# Altium PCB ADAPTONE_PCB_COPY.PcbDoc (part 8 of 11)
Units mil, origin at the board's own origin, x right, y up, seen from the top; angles counter-clockwise.
Board outline 10236.22 x 6701.71 mil, 4 copper layers (Top Layer, GND, Internal Plane 2, Bottom Layer), stack 30.2 mil thick; 1794 components, 935 nets, 4745 pads, 575 vias.
Unrouted connection lines stored in the file: 997.
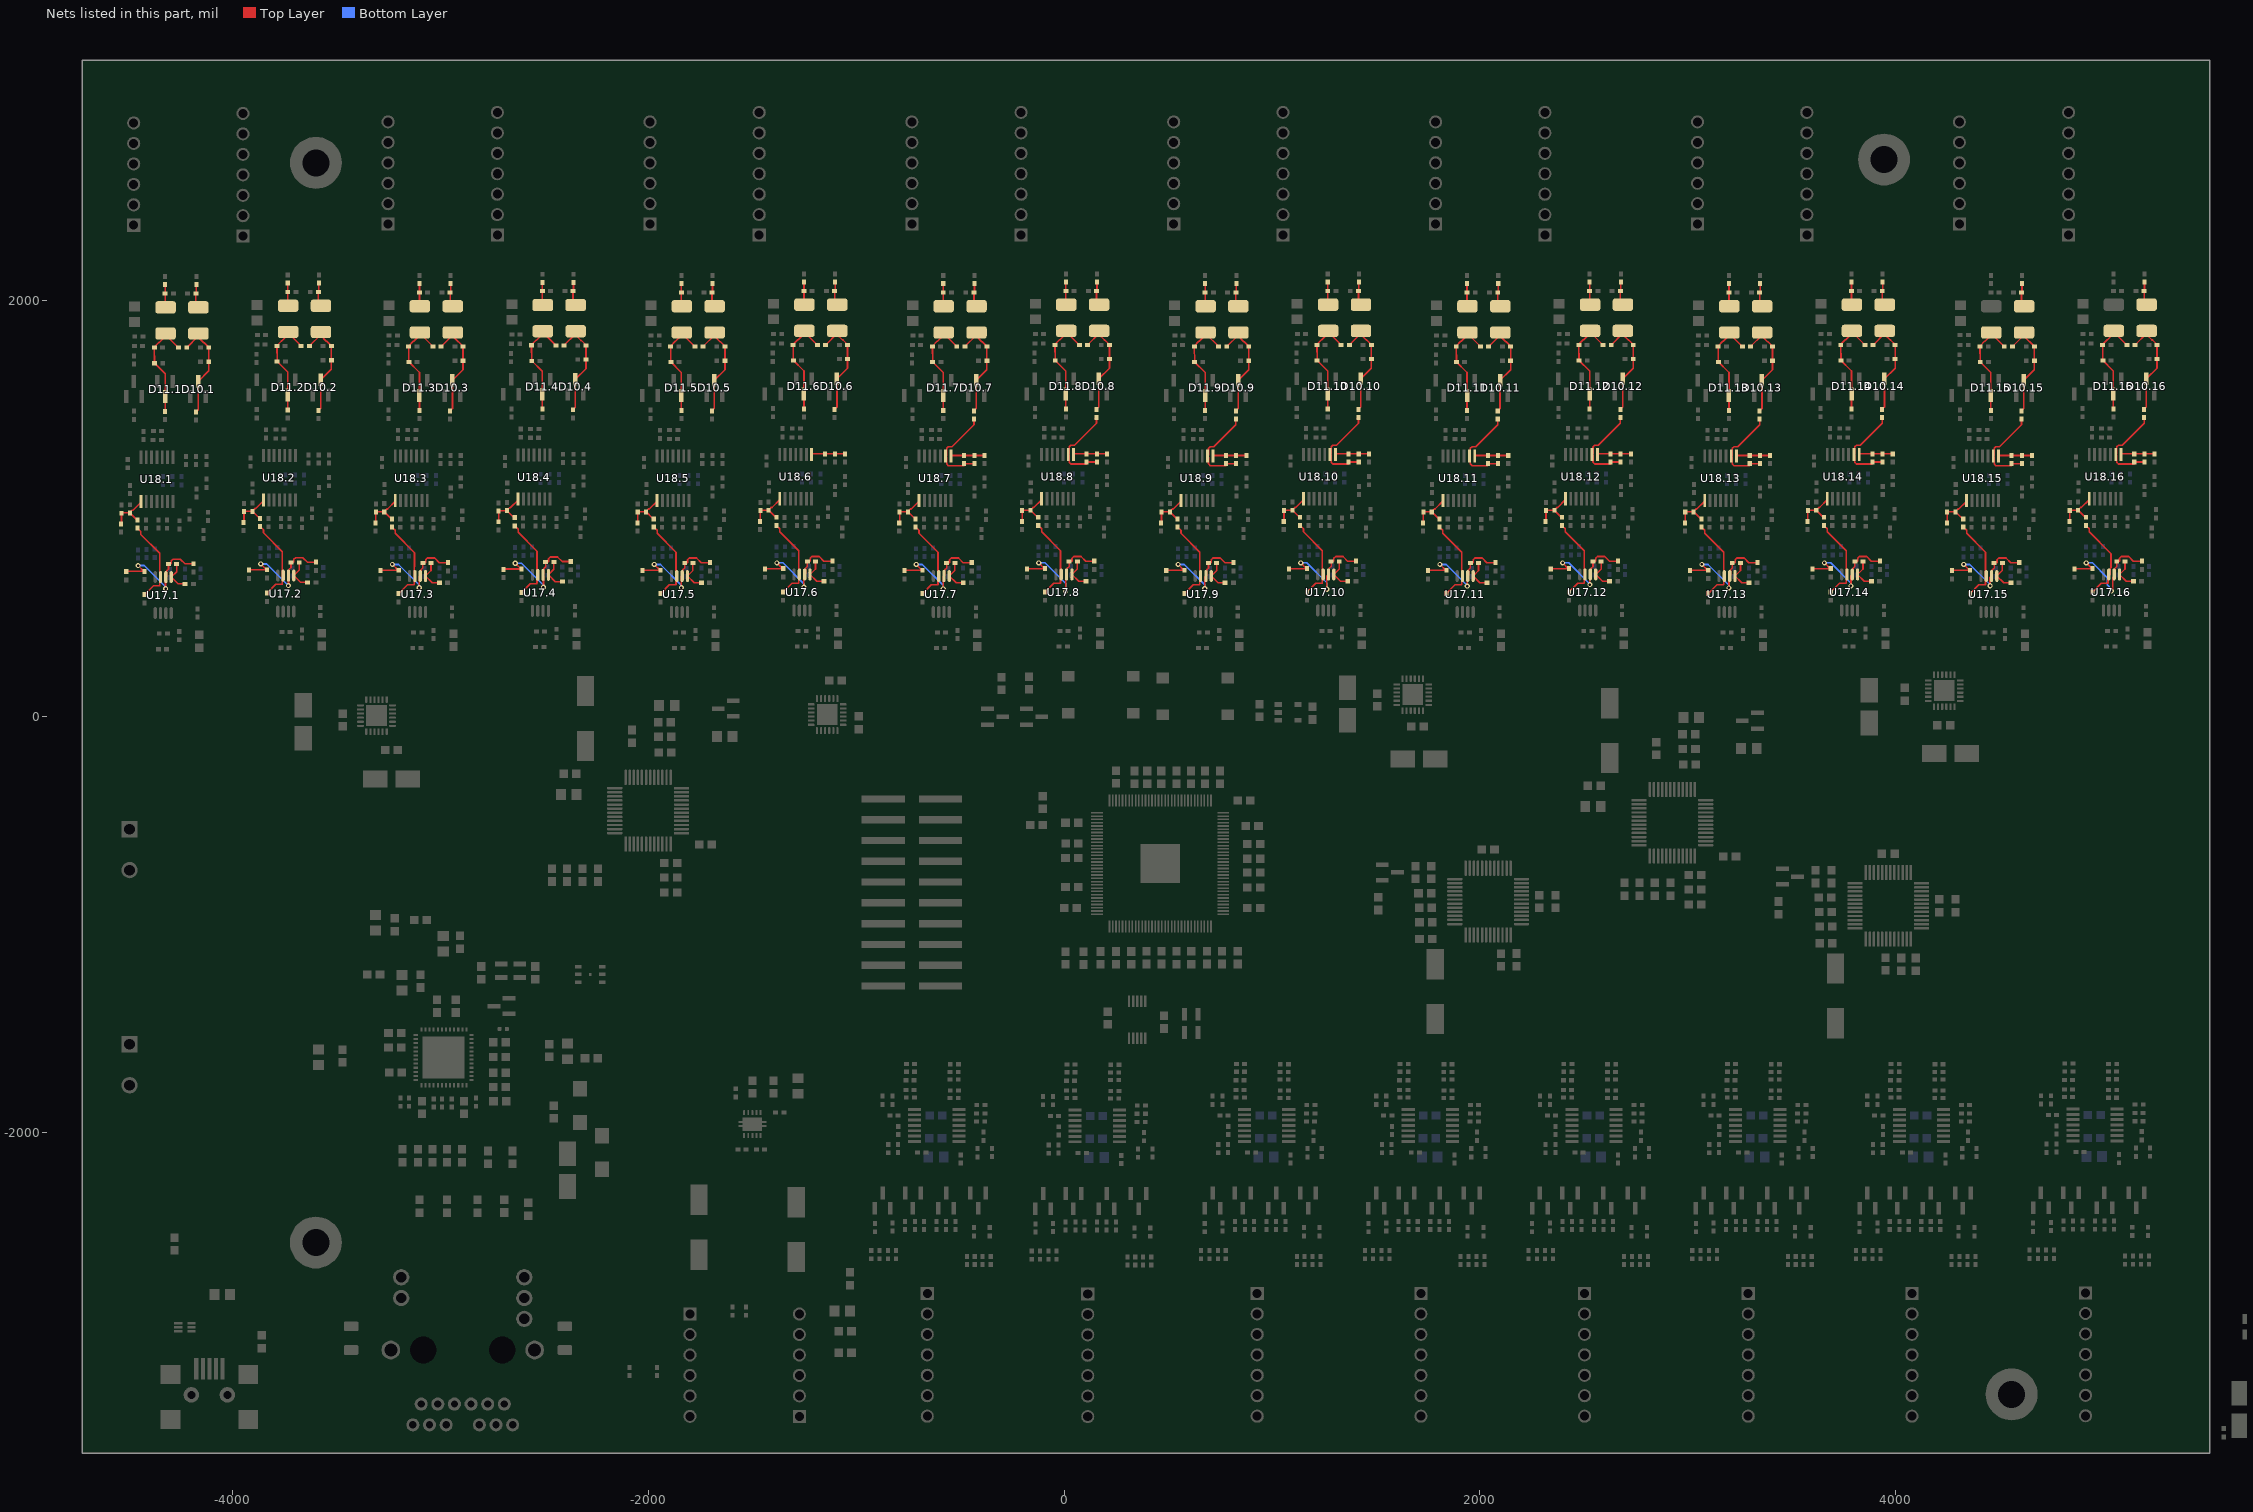
[diagram p10: the nets of this part, all layers, seen from the top]

## Via types
v1: diameter 25, hole 12, Top Layer to Bottom Layer, 566 vias
v2: diameter 19.68, hole 7.87, Top Layer to Bottom Layer, 9 vias

## Nets (pads, with @x,y where several pads share a name; then routed paths per layer and width w, separated by ;. In a path a pad name is that pad's centre, name@x,y a point inside that pad or via, vN(x,y) a via of type N, cw(c..) or ccw(c..) an arc to the next point about the centre after c; other vN are vias at no path point) (continued)
NetC58.6_2: C58.6.2 R36.6.1 R53.6.2 U18.6.1 | length 162.7
  Top Layer w8: U18.6.1@-1214.69,1260.57 -1211.24,1264.02 R36.6.1@-1151.46,1264.02 C58.6.2@-1102.46,1264.02 R53.6.2@-1053.46,1264.02
NetC58.7_1: C58.7.1 R36.7.2 R43.7.2 U18.7.2 | length 437.1
  Top Layer w8: R43.7.2@-438.6,1426.83 R43.7.2@-433.94,1431.49 -433.94,1404.18 -539.53,1298.59 -557.2,1298.59 -565.41,1290.39 -565.41,1257.79 U18.7.2@-570.11,1253.09 -565.41,1248.39 -565.41,1215.8 -557.2,1207.6 -481.29,1207.6 R36.7.2@-481.29,1217.17 C58.7.1@-432.29,1217.17
NetC58.7_2: C58.7.2 R36.7.1 R53.7.2 U18.7.1 | length 162.7
  Top Layer w8: U18.7.1@-544.52,1253.09 -541.07,1256.54 R36.7.1@-481.29,1256.54 C58.7.2@-432.29,1256.54 R53.7.2@-383.29,1256.54
NetC58.8_1: C58.8.1 R36.8.2 R43.8.2 U18.8.2 | length 437.1
  Top Layer w8: R43.8.2@151.07,1434.3 R43.8.2@155.73,1438.96 155.73,1411.65 50.15,1306.06 32.47,1306.06 24.27,1297.86 24.27,1265.27 U18.8.2@19.57,1260.57 24.27,1255.87 24.27,1223.27 32.47,1215.07 108.38,1215.07 R36.8.2@108.38,1224.65 C58.8.1@157.38,1224.65
NetC58.8_2: C58.8.2 R36.8.1 R53.8.2 U18.8.1 | length 162.7
  Top Layer w8: U18.8.1@45.16,1260.57 48.61,1264.02 R36.8.1@108.38,1264.02 C58.8.2@157.38,1264.02 R53.8.2@206.38,1264.02
NetC58.9_1: C58.9.1 R36.9.2 R43.9.2 U18.9.2 | length 437.1
  Top Layer w8: R43.9.2@821.24,1426.83 R43.9.2@825.91,1431.49 825.91,1404.18 720.32,1298.59 702.64,1298.59 694.44,1290.39 694.44,1257.79 U18.9.2@689.74,1253.09 694.44,1248.39 694.44,1215.8 702.64,1207.6 778.56,1207.6 R36.9.2@778.56,1217.17 C58.9.1@827.56,1217.17
NetC58.9_2: C58.9.2 R36.9.1 R53.9.2 U18.9.1 | length 162.7
  Top Layer w8: U18.9.1@715.33,1253.09 718.78,1256.54 R36.9.1@778.56,1256.54 C58.9.2@827.56,1256.54 R53.9.2@876.56,1256.54
NetC58.10_1: C58.10.1 R36.10.2 R43.10.2 U18.10.2 | length 437.1
  Top Layer w8: R43.10.2@1410.92,1434.3 R43.10.2@1415.58,1438.96 1415.58,1411.65 1309.99,1306.06 1292.31,1306.06 1284.11,1297.86 1284.11,1265.27 U18.10.2@1279.41,1260.57 1284.11,1255.87 1284.11,1223.27 1292.31,1215.07 1368.23,1215.07 R36.10.2@1368.23,1224.65 C58.10.1@1417.23,1224.65
NetC58.10_2: C58.10.2 R36.10.1 R53.10.2 U18.10.1 | length 162.7
  Top Layer w8: U18.10.1@1305,1260.57 1308.45,1264.02 R36.10.1@1368.23,1264.02 C58.10.2@1417.23,1264.02 R53.10.2@1466.23,1264.02
NetC58.11_1: C58.11.1 R36.11.2 R43.11.2 U18.11.2 | length 437.1
  Top Layer w8: R43.11.2@2081.09,1426.83 R43.11.2@2085.75,1431.49 2085.75,1404.18 1980.16,1298.59 1962.48,1298.59 1954.28,1290.39 1954.28,1257.79 U18.11.2@1949.58,1253.09 1954.28,1248.39 1954.28,1215.8 1962.48,1207.6 2038.4,1207.6 R36.11.2@2038.4,1217.17 C58.11.1@2087.4,1217.17
NetC58.11_2: C58.11.2 R36.11.1 R53.11.2 U18.11.1 | length 162.7
  Top Layer w8: U18.11.1@1975.17,1253.09 1978.62,1256.54 R36.11.1@2038.4,1256.54 C58.11.2@2087.4,1256.54 R53.11.2@2136.4,1256.54
NetC58.12_1: C58.12.1 R36.12.2 R43.12.2 U18.12.2 | length 437.1
  Top Layer w8: R43.12.2@2670.76,1434.3 R43.12.2@2675.42,1438.96 2675.42,1411.65 2569.83,1306.06 2552.15,1306.06 2543.95,1297.86 2543.95,1265.27 U18.12.2@2539.25,1260.57 2543.95,1255.87 2543.95,1223.27 2552.15,1215.07 2628.07,1215.07 R36.12.2@2628.07,1224.65 C58.12.1@2677.07,1224.65
NetC58.12_2: C58.12.2 R36.12.1 R53.12.2 U18.12.1 | length 162.7
  Top Layer w8: U18.12.1@2564.84,1260.57 2568.29,1264.02 R36.12.1@2628.07,1264.02 C58.12.2@2677.07,1264.02 R53.12.2@2726.07,1264.02
NetC58.13_1: C58.13.1 R36.13.2 R43.13.2 U18.13.2 | length 437.1
  Top Layer w8: R43.13.2@3340.93,1426.83 R43.13.2@3345.59,1431.49 3345.59,1404.18 3240,1298.59 3222.32,1298.59 3214.12,1290.39 3214.12,1257.79 U18.13.2@3209.42,1253.09 3214.12,1248.39 3214.12,1215.8 3222.32,1207.6 3298.24,1207.6 R36.13.2@3298.24,1217.17 C58.13.1@3347.24,1217.17
NetC58.13_2: C58.13.2 R36.13.1 R53.13.2 U18.13.1 | length 162.7
  Top Layer w8: U18.13.1@3235.01,1253.09 3238.46,1256.54 R36.13.1@3298.24,1256.54 C58.13.2@3347.24,1256.54 R53.13.2@3396.24,1256.54
NetC58.14_1: C58.14.1 R36.14.2 R43.14.2 U18.14.2 | length 437.1
  Top Layer w8: R43.14.2@3930.6,1434.3 R43.14.2@3935.26,1438.96 3935.26,1411.65 3829.67,1306.06 3811.99,1306.06 3803.79,1297.86 3803.79,1265.27 U18.14.2@3799.09,1260.57 3803.79,1255.87 3803.79,1223.27 3811.99,1215.07 3887.91,1215.07 R36.14.2@3887.91,1224.65 C58.14.1@3936.91,1224.65
NetC58.14_2: C58.14.2 R36.14.1 R53.14.2 U18.14.1 | length 162.7
  Top Layer w8: U18.14.1@3824.68,1260.57 3828.13,1264.02 R36.14.1@3887.91,1264.02 C58.14.2@3936.91,1264.02 R53.14.2@3985.91,1264.02
NetC58.15_1: C58.15.1 R36.15.2 R43.15.2 U18.15.2 | length 437.1
  Top Layer w8: R43.15.2@4600.77,1426.83 R43.15.2@4605.43,1431.49 4605.43,1404.18 4499.85,1298.59 4482.17,1298.59 4473.96,1290.39 4473.96,1257.79 U18.15.2@4469.26,1253.09 4473.96,1248.39 4473.96,1215.8 4482.17,1207.6 4558.08,1207.6 R36.15.2@4558.08,1217.17 C58.15.1@4607.08,1217.17
NetC58.15_2: C58.15.2 R36.15.1 R53.15.2 U18.15.1 | length 162.7
  Top Layer w8: U18.15.1@4494.85,1253.09 4498.3,1256.54 R36.15.1@4558.08,1256.54 C58.15.2@4607.08,1256.54 R53.15.2@4656.08,1256.54
NetC58.16_1: C58.16.1 R36.16.2 R43.16.2 U18.16.2 | length 437.1
  Top Layer w8: R43.16.2@5190.44,1434.3 R43.16.2@5195.1,1438.96 5195.1,1411.65 5089.52,1306.06 5071.84,1306.06 5063.64,1297.86 5063.64,1265.27 U18.16.2@5058.94,1260.57 5063.64,1255.87 5063.64,1223.27 5071.84,1215.07 5147.75,1215.07 R36.16.2@5147.75,1224.65 C58.16.1@5196.75,1224.65
NetC58.16_2: C58.16.2 R36.16.1 R53.16.2 U18.16.1 | length 162.7
  Top Layer w8: U18.16.1@5084.53,1260.57 5087.98,1264.02 R36.16.1@5147.75,1264.02 C58.16.2@5196.75,1264.02 R53.16.2@5245.75,1264.02
NetC62.1_1: C62.1.1 C63.1.1 R34.1.2 R35.1.1 U17.1.2 | length 580
  Top Layer w8: R34.1.2@-4512,697.28 -4510.19,699.09 C63.1.1@-4427.18,699.09 ; v1(-4455,726.91) C63.1.1@-4427.18,699.09 ; C63.1.1@-4424.55,699.09 C63.1.1@-4427.18,699.09 ; v1(-4323,615) -4323,669.56 U17.1.2@-4321.23,671.33 -4317.54,675.02 -4317.54,701.05 -4308.71,709.88 C62.1.1@-4308.71,733.72 -4307.03,735.4 -4295.15,735.4 -4295.15,749.36 -4286.95,757.56 -4251.73,757.56 -4229.57,735.4 R35.1.1@-4192.03,735.4
  Bottom Layer w8: v1(-4455,726.91) -4425.46,726.91 -4323,624.45 v1(-4323,615)
NetC62.1_2: C62.1.2 R40.1.1 U17.1.1 | length 153.7
  Top Layer w8: C62.1.2@-4269.34,733.72 -4269.34,697.63 U17.1.1@-4295.64,671.33 -4263.03,638.72 R40.1.1@-4228.71,638.72
NetC62.2_1: C62.2.1 C63.2.1 R34.2.2 R35.2.1 U17.2.2 | length 564.6
  Top Layer w8: R34.2.2@-3922.33,704.76 -3920.52,706.57 C63.2.1@-3837.5,706.57 ; v1(-3865.33,734.39) C63.2.1@-3837.5,706.57 ; C63.2.1@-3834.88,706.57 C63.2.1@-3837.5,706.57 ; v1(-3731.56,630.16) U17.2.2@-3731.56,678.81 -3727.87,682.5 -3727.87,708.52 -3719.04,717.35 C62.2.1@-3719.04,741.2 -3717.35,742.88 -3705.48,742.88 -3705.48,756.84 -3697.28,765.04 -3662.06,765.04 -3639.9,742.88 R35.2.1@-3602.35,742.88
  Bottom Layer w8: v1(-3865.33,734.39) -3835.79,734.39 v1(-3731.56,630.16)
NetC62.2_2: C62.2.2 R40.2.1 U17.2.1 | length 153.7
  Top Layer w8: C62.2.2@-3679.67,741.2 -3679.67,705.11 U17.2.1@-3705.97,678.81 -3673.35,646.2 R40.2.1@-3639.04,646.2
NetC62.3_1: C62.3.1 C63.3.1 R34.3.2 R35.3.1 U17.3.2 | length 582.7
  Top Layer w8: R34.3.2@-3288.42,702.42 -3286.61,704.23 C63.3.1@-3203.6,704.23 ; v1(-3231.42,732.05) C63.3.1@-3203.6,704.23 ; C63.3.1@-3200.97,704.23 C63.3.1@-3203.6,704.23 ; v1(-3102,620) -3102,672.12 U17.3.2@-3097.65,676.47 -3093.96,680.16 -3093.96,706.19 -3085.13,715.01 C62.3.1@-3085.13,738.86 -3083.44,740.54 -3071.57,740.54 -3071.57,754.5 -3063.37,762.7 -3028.15,762.7 -3005.99,740.54 R35.3.1@-2968.44,740.54
  Bottom Layer w8: v1(-3231.42,732.05) -3201.88,732.05 -3099,629.17 -3102,626.17 v1(-3102,620)
NetC62.3_2: C62.3.2 R40.3.1 U17.3.1 | length 153.7
  Top Layer w8: C62.3.2@-3045.76,738.86 -3045.76,702.77 U17.3.1@-3072.06,676.47 -3039.44,643.86 R40.3.1@-3005.13,643.86
NetC62.4_1: C62.4.1 C63.4.1 R34.4.2 R35.4.1 U17.4.2 | length 588.6
  Top Layer w8: R34.4.2@-2697.39,708.01 -2695.58,709.82 C63.4.1@-2612.56,709.82 ; v1(-2640.39,737.64) C63.4.1@-2612.56,709.82 ; C63.4.1@-2609.94,709.82 C63.4.1@-2612.56,709.82 ; v1(-2505,622.68) -2505,677.68 -2508,680.68 U17.4.2@-2506.62,682.06 -2502.93,685.75 -2502.93,711.78 -2494.1,720.6 C62.4.1@-2494.1,744.45 -2492.41,746.13 -2480.54,746.13 -2480.54,760.09 -2472.34,768.29 -2437.12,768.29 -2414.96,746.13 R35.4.1@-2377.41,746.13
  Bottom Layer w8: v1(-2640.39,737.64) -2610.85,737.64 -2505,631.79 v1(-2505,622.68)
NetC62.4_2: C62.4.2 R40.4.1 U17.4.1 | length 153.7
  Top Layer w8: C62.4.2@-2454.73,744.45 -2454.73,708.36 U17.4.1@-2481.03,682.06 -2448.41,649.45 R40.4.1@-2414.1,649.45
NetC62.5_1: C62.5.1 C63.5.1 R34.5.2 R35.5.1 U17.5.2 | length 578.3
  Top Layer w8: R34.5.2@-2028.58,702.42 -2026.77,704.23 C63.5.1@-1943.75,704.23 ; v1(-1971.58,732.05) C63.5.1@-1943.75,704.23 ; C63.5.1@-1941.13,704.23 C63.5.1@-1943.75,704.23 ; v1(-1841.42,621) -1841.42,672.86 U17.5.2@-1837.81,676.47 -1834.12,680.16 -1834.12,706.19 -1825.29,715.01 C62.5.1@-1825.29,738.86 -1823.6,740.54 -1811.73,740.54 -1811.73,754.5 -1803.53,762.7 -1768.31,762.7 -1746.15,740.54 R35.5.1@-1708.6,740.54
  Bottom Layer w8: v1(-1971.58,732.05) -1942.04,732.05 -1841.42,631.43 v1(-1841.42,621)
NetC62.5_2: C62.5.2 R40.5.1 U17.5.1 | length 153.7
  Top Layer w8: C62.5.2@-1785.92,738.86 -1785.92,702.77 U17.5.1@-1812.22,676.47 -1779.6,643.86 R40.5.1@-1745.29,643.86
NetC62.6_1: C62.6.1 C63.6.1 R34.6.2 R35.6.1 U17.6.2 | length 589.9
  Top Layer w8: R34.6.2@-1438.9,709.9 -1437.1,711.7 C63.6.1@-1354.08,711.7 ; v1(-1381.9,739.53) C63.6.1@-1354.08,711.7 ; C63.6.1@-1351.46,711.7 C63.6.1@-1354.08,711.7 ; v1(-1252,622.68) -1252,680.08 U17.6.2@-1248.13,683.95 -1244.44,687.64 -1244.44,713.66 -1235.61,722.49 C62.6.1@-1235.61,746.33 -1233.93,748.02 -1222.06,748.02 -1222.06,761.97 -1213.85,770.18 -1178.63,770.18 -1156.48,748.02 R35.6.1@-1118.93,748.02
  Bottom Layer w8: v1(-1381.9,739.53) -1352.36,739.53 -1252,639.16 v1(-1252,622.68)
NetC62.6_2: C62.6.2 R40.6.1 U17.6.1 | length 153.7
  Top Layer w8: C62.6.2@-1196.24,746.33 -1196.24,710.25 U17.6.1@-1222.54,683.95 -1189.93,651.33 R40.6.1@-1155.61,651.33
NetC62.7_1: C62.7.1 C63.7.1 R34.7.2 R35.7.1 U17.7.2 | length 592.3
  Top Layer w8: R34.7.2@-768.73,702.42 -766.93,704.23 C63.7.1@-683.91,704.23 ; v1(-711.73,732.05) C63.7.1@-683.91,704.23 ; C63.7.1@-681.29,704.23 C63.7.1@-683.91,704.23 ; v1(-582,614) -582,672.43 U17.7.2@-577.96,676.47 -574.27,680.16 -574.27,706.19 -565.44,715.01 C62.7.1@-565.44,738.86 -563.76,740.54 -551.88,740.54 -551.88,754.5 -543.68,762.7 -508.46,762.7 -486.31,740.54 R35.7.1@-448.76,740.54
  Bottom Layer w8: v1(-711.73,732.05) -682.19,732.05 -582,631.86 v1(-582,614)
NetC62.7_2: C62.7.2 R40.7.1 U17.7.1 | length 153.7
  Top Layer w8: C62.7.2@-526.07,738.86 -526.07,702.77 U17.7.1@-552.37,676.47 -519.76,643.86 R40.7.1@-485.44,643.86
NetC62.8_1: C62.8.1 C63.8.1 R34.8.2 R35.8.1 U17.8.2 | length 631.2
  Top Layer w8: R34.8.2@-179.06,709.9 -177.25,711.7 C63.8.1@-94.24,711.7 ; v1(-122.06,739.53) C63.8.1@-94.24,711.7 ; C63.8.1@-91.62,711.7 C63.8.1@-94.24,711.7 ; v1(7,602) 7,679.24 U17.8.2@11.71,683.95 15.4,687.64 15.4,713.66 24.23,722.49 C62.8.1@24.23,746.33 25.91,748.02 37.79,748.02 37.79,761.97 45.99,770.18 81.21,770.18 103.37,748.02 R35.8.1@140.91,748.02
  Bottom Layer w8: v1(-122.06,739.53) -92.52,739.53 7,640 v1(7,602)
NetC62.8_2: C62.8.2 R40.8.1 U17.8.1 | length 153.7
  Top Layer w8: C62.8.2@63.6,746.33 63.6,710.25 U17.8.1@37.3,683.95 69.91,651.33 R40.8.1@104.23,651.33
NetC62.9_1: C62.9.1 C63.9.1 R34.9.2 R35.9.1 U17.9.2 | length 590.3
  Top Layer w8: R34.9.2@491.11,702.42 492.92,704.23 C63.9.1@575.93,704.23 ; v1(548.11,732.05) C63.9.1@575.93,704.23 ; C63.9.1@578.56,704.23 C63.9.1@575.93,704.23 ; v1(676,615) 676,670.59 U17.9.2@681.88,676.47 685.57,680.16 685.57,706.19 694.4,715.01 C62.9.1@694.4,738.86 696.08,740.54 707.96,740.54 707.96,754.5 716.16,762.7 751.38,762.7 773.54,740.54 R35.9.1@811.08,740.54
  Bottom Layer w8: v1(548.11,732.05) 577.65,732.05 676,633.7 v1(676,615)
NetC62.9_2: C62.9.2 R40.9.1 U17.9.1 | length 153.7
  Top Layer w8: C62.9.2@733.77,738.86 733.77,702.77 U17.9.1@707.47,676.47 740.08,643.86 R40.9.1@774.4,643.86
NetC62.10_1: C62.10.1 C63.10.1 R34.10.2 R35.10.1 U17.10.2 | length 609.2
  Top Layer w8: R34.10.2@1080.78,709.9 1082.59,711.7 C63.10.1@1165.6,711.7 ; v1(1137.78,739.53) C63.10.1@1165.6,711.7 ; C63.10.1@1168.23,711.7 C63.10.1@1165.6,711.7 ; v1(1264,613) 1264,676.4 U17.10.2@1271.55,683.95 1275.24,687.64 1275.24,713.66 1284.07,722.49 C62.10.1@1284.07,746.33 1285.76,748.02 1297.63,748.02 1297.63,761.97 1305.83,770.18 1341.05,770.18 1363.21,748.02 R35.10.1@1400.76,748.02
  Bottom Layer w8: v1(1137.78,739.53) 1167.32,739.53 1264,642.85 v1(1264,613)
NetC62.10_2: C62.10.2 R40.10.1 U17.10.1 | length 153.7
  Top Layer w8: C62.10.2@1323.44,746.33 1323.44,710.25 U17.10.1@1297.14,683.95 1329.76,651.33 R40.10.1@1364.07,651.33
NetC62.11_1: C62.11.1 C63.11.1 R34.11.2 R35.11.1 U17.11.2 | length 564.3
  Top Layer w8: R34.11.2@1750.95,702.42 1752.76,704.23 C63.11.1@1835.77,704.23 ; v1(1807.95,732.05) C63.11.1@1835.77,704.23 ; C63.11.1@1838.4,704.23 C63.11.1@1835.77,704.23 ; v1(1939,628) 1939,673.75 U17.11.2@1941.72,676.47 1945.41,680.16 1945.41,706.19 1954.24,715.01 C62.11.1@1954.24,738.86 1955.93,740.54 1967.8,740.54 1967.8,754.5 1976,762.7 2011.22,762.7 2033.38,740.54 R35.11.1@2070.93,740.54
  Bottom Layer w8: v1(1807.95,732.05) 1837.49,732.05 1939,630.54 v1(1939,628)
NetC62.11_2: C62.11.2 R40.11.1 U17.11.1 | length 153.7
  Top Layer w8: C62.11.2@1993.61,738.86 1993.61,702.77 U17.11.1@1967.31,676.47 1999.93,643.86 R40.11.1@2034.24,643.86
NetC62.12_1: C62.12.1 C63.12.1 R34.12.2 R35.12.1 U17.12.2 | length 565.2
  Top Layer w8: R34.12.2@2340.62,709.9 2342.43,711.7 C63.12.1@2425.45,711.7 ; v1(2397.62,739.53) C63.12.1@2425.45,711.7 ; C63.12.1@2428.07,711.7 C63.12.1@2425.45,711.7 ; v1(2529,635) 2529,681.55 U17.12.2@2531.39,683.95 2535.08,687.64 2535.08,713.66 2543.91,722.49 C62.12.1@2543.91,746.33 2545.6,748.02 2557.47,748.02 2557.47,761.97 2565.67,770.18 2600.89,770.18 2623.05,748.02 R35.12.1@2660.6,748.02
  Bottom Layer w8: v1(2397.62,739.53) 2427.16,739.53 2529,637.69 v1(2529,635)
NetC62.12_2: C62.12.2 R40.12.1 U17.12.1 | length 153.7
  Top Layer w8: C62.12.2@2583.28,746.33 2583.28,710.25 U17.12.1@2556.98,683.95 2589.6,651.33 R40.12.1@2623.91,651.33
NetC62.13_1: C62.13.1 C63.13.1 R34.13.2 R35.13.1 U17.13.2 | length 582.3
  Top Layer w8: R34.13.2@3010.79,702.42 3012.6,704.23 C63.13.1@3095.62,704.23 ; v1(3067.79,732.05) C63.13.1@3095.62,704.23 ; C63.13.1@3098.24,704.23 C63.13.1@3095.62,704.23 ; v1(3197.95,619) 3197.95,672.86 U17.13.2@3201.56,676.47 3205.25,680.16 3205.25,706.19 3214.08,715.01 C62.13.1@3214.08,738.86 3215.77,740.54 3227.64,740.54 3227.64,754.5 3235.84,762.7 3271.06,762.7 3293.22,740.54 R35.13.1@3330.77,740.54
  Bottom Layer w8: v1(3067.79,732.05) 3097.33,732.05 3197.95,631.43 v1(3197.95,619)
NetC62.13_2: C62.13.2 R40.13.1 U17.13.1 | length 153.7
  Top Layer w8: C62.13.2@3253.45,738.86 3253.45,702.77 U17.13.1@3227.15,676.47 3259.77,643.86 R40.13.1@3294.08,643.86
NetC62.14_1: C62.14.1 C63.14.1 R34.14.2 R35.14.1 U17.14.2 | length 577.2
  Top Layer w8: R34.14.2@3600.47,709.9 3602.27,711.7 C63.14.1@3685.29,711.7 ; v1(3657.47,739.53) C63.14.1@3685.29,711.7 ; C63.14.1@3687.91,711.7 C63.14.1@3685.29,711.7 ; v1(3785,629) 3785,677.71 U17.14.2@3791.24,683.95 3794.93,687.64 3794.93,713.66 3803.76,722.49 C62.14.1@3803.76,746.33 3805.44,748.02 3817.31,748.02 3817.31,761.97 3825.52,770.18 3860.74,770.18 3882.89,748.02 R35.14.1@3920.44,748.02
  Bottom Layer w8: v1(3657.47,739.53) 3687.01,739.53 3785,641.53 v1(3785,629)
NetC62.14_2: C62.14.2 R40.14.1 U17.14.1 | length 153.7
  Top Layer w8: C62.14.2@3843.13,746.33 3843.13,710.25 U17.14.1@3816.83,683.95 3849.44,651.33 R40.14.1@3883.76,651.33
NetC62.15_1: C62.15.1 C63.15.1 R34.15.2 R35.15.1 U17.15.2 | length 560.3
  Top Layer w8: R34.15.2@4270.64,702.42 4272.44,704.23 C63.15.1@4355.46,704.23 ; v1(4327.64,732.05) C63.15.1@4355.46,704.23 ; C63.15.1@4358.08,704.23 C63.15.1@4355.46,704.23 ; v1(4454,630) 4454,669.06 U17.15.2@4461.41,676.47 4465.1,680.16 4465.1,706.19 4473.93,715.01 C62.15.1@4473.93,738.86 4475.61,740.54 4487.49,740.54 4487.49,754.5 4495.69,762.7 4530.91,762.7 4553.06,740.54 R35.15.1@4590.61,740.54
  Bottom Layer w8: v1(4327.64,732.05) 4357.18,732.05 4454,635.23 v1(4454,630)
NetC62.15_2: C62.15.2 R40.15.1 U17.15.1 | length 153.7
  Top Layer w8: C62.15.2@4513.3,738.86 4513.3,702.77 U17.15.1@4487,676.47 4519.61,643.86 R40.15.1@4553.93,643.86
NetC62.16_1: C62.16.1 C63.16.1 R34.16.2 R35.16.1 U17.16.2 | length 630.5
  Top Layer w8: R34.16.2@4860.31,709.9 4862.12,711.7 C63.16.1@4945.13,711.7 ; v1(4917.31,739.53) C63.16.1@4945.13,711.7 ; C63.16.1@4947.76,711.7 C63.16.1@4945.13,711.7 ; v1(5037.75,604) 5044.39,610.63 5044.39,669.41 5055,680.03 U17.16.2@5051.08,683.95 5054.77,687.64 5054.77,713.66 5063.6,722.49 C62.16.1@5063.6,746.33 5065.28,748.02 5077.16,748.02 5077.16,761.97 5085.36,770.18 5120.58,770.18 5142.74,748.02 R35.16.1@5180.28,748.02
  Bottom Layer w8: v1(4917.31,739.53) 4946.85,739.53 5018,668.37 5018,633.88 5037.75,614.13 v1(5037.75,604)
NetC62.16_2: C62.16.2 R40.16.1 U17.16.1 | length 153.7
  Top Layer w8: C62.16.2@5102.97,746.33 5102.97,710.25 U17.16.1@5076.67,683.95 5109.28,651.33 R40.16.1@5143.6,651.33
NetC64.1_1: C64.1.1 R37.1.2 R39.1.1 | length 111.8
  Top Layer w8: R39.1.1@-4177.16,2035.87 -4177.16,1981.34 C64.1.1@-4164.84,1969.03 ; R39.1.1@-4174.84,2038.19 R37.1.2@-4174.84,2078.03
NetC64.1_2: C64.1.2 C65.1.1 C67.1.1 D10.1.3 R38.1.1 R43.1.1 | length 503.9
  Top Layer w8: C67.1.1@-4220.76,1775.04 C64.1.2@-4164.84,1830.96 ; R43.1.1@-4177.2,1465.72 -4166.16,1476.77 D10.1.3@-4166.16,1612.45 -4115.16,1663.45 R38.1.1@-4115.16,1707.03 C65.1.1@-4115.16,1775.04 -4115.16,1777.12 -4136.92,1798.88 -4139,1798.88 -4164.84,1824.73 C64.1.2@-4164.84,1830.96 ; C64.1.2@-4164.84,1843.04 C64.1.2@-4164.84,1830.96
NetC64.2_1: C64.2.1 R37.2.2 R39.2.1 | length 111.8
  Top Layer w8: R39.2.1@-3587.48,2043.35 -3587.48,1988.82 C64.2.1@-3575.17,1976.5 ; R39.2.1@-3585.17,2045.67 R37.2.2@-3585.17,2085.51
NetC64.2_2: C64.2.2 C65.2.1 C67.2.1 D10.2.3 R38.2.1 R43.2.1 | length 503.9
  Top Layer w8: C67.2.1@-3631.09,1782.52 C64.2.2@-3575.17,1838.44 ; R43.2.1@-3587.53,1473.2 -3576.48,1484.24 D10.2.3@-3576.48,1619.93 -3525.48,1670.93 R38.2.1@-3525.48,1714.51 C65.2.1@-3525.48,1782.52 -3525.48,1784.6 -3547.24,1806.36 -3549.33,1806.36 -3575.17,1832.2 C64.2.2@-3575.17,1838.44 ; C64.2.2@-3575.17,1850.52 C64.2.2@-3575.17,1838.44
NetC64.3_1: C64.3.1 R37.3.2 R39.3.1 | length 111.8
  Top Layer w8: R39.3.1@-2953.57,2041.01 -2953.57,1986.48 C64.3.1@-2941.26,1974.16 ; R39.3.1@-2951.26,2043.33 R37.3.2@-2951.26,2083.17
NetC64.3_2: C64.3.2 C65.3.1 C67.3.1 D10.3.3 R38.3.1 R43.3.1 | length 503.9
  Top Layer w8: C67.3.1@-2997.18,1780.18 C64.3.2@-2941.26,1836.1 ; R43.3.1@-2953.62,1470.86 -2942.57,1481.9 D10.3.3@-2942.57,1617.59 -2891.57,1668.59 R38.3.1@-2891.57,1712.17 C65.3.1@-2891.57,1780.18 -2891.57,1782.26 -2913.34,1804.02 -2915.42,1804.02 -2941.26,1829.86 C64.3.2@-2941.26,1836.1 ; C64.3.2@-2941.26,1848.18 C64.3.2@-2941.26,1836.1